# Altium PCB Sensor.PcbDoc (part 1 of 2)
Units mil, origin at the board's own origin, x right, y up, seen from the top; angles counter-clockwise.
Board outline 9449.35 x 6496.59 mil, 4 copper layers (Top Layer, GND, POWER, Bottom Layer), stack 30.634 mil thick; 169 components, 156 nets, 755 pads, 299 vias.
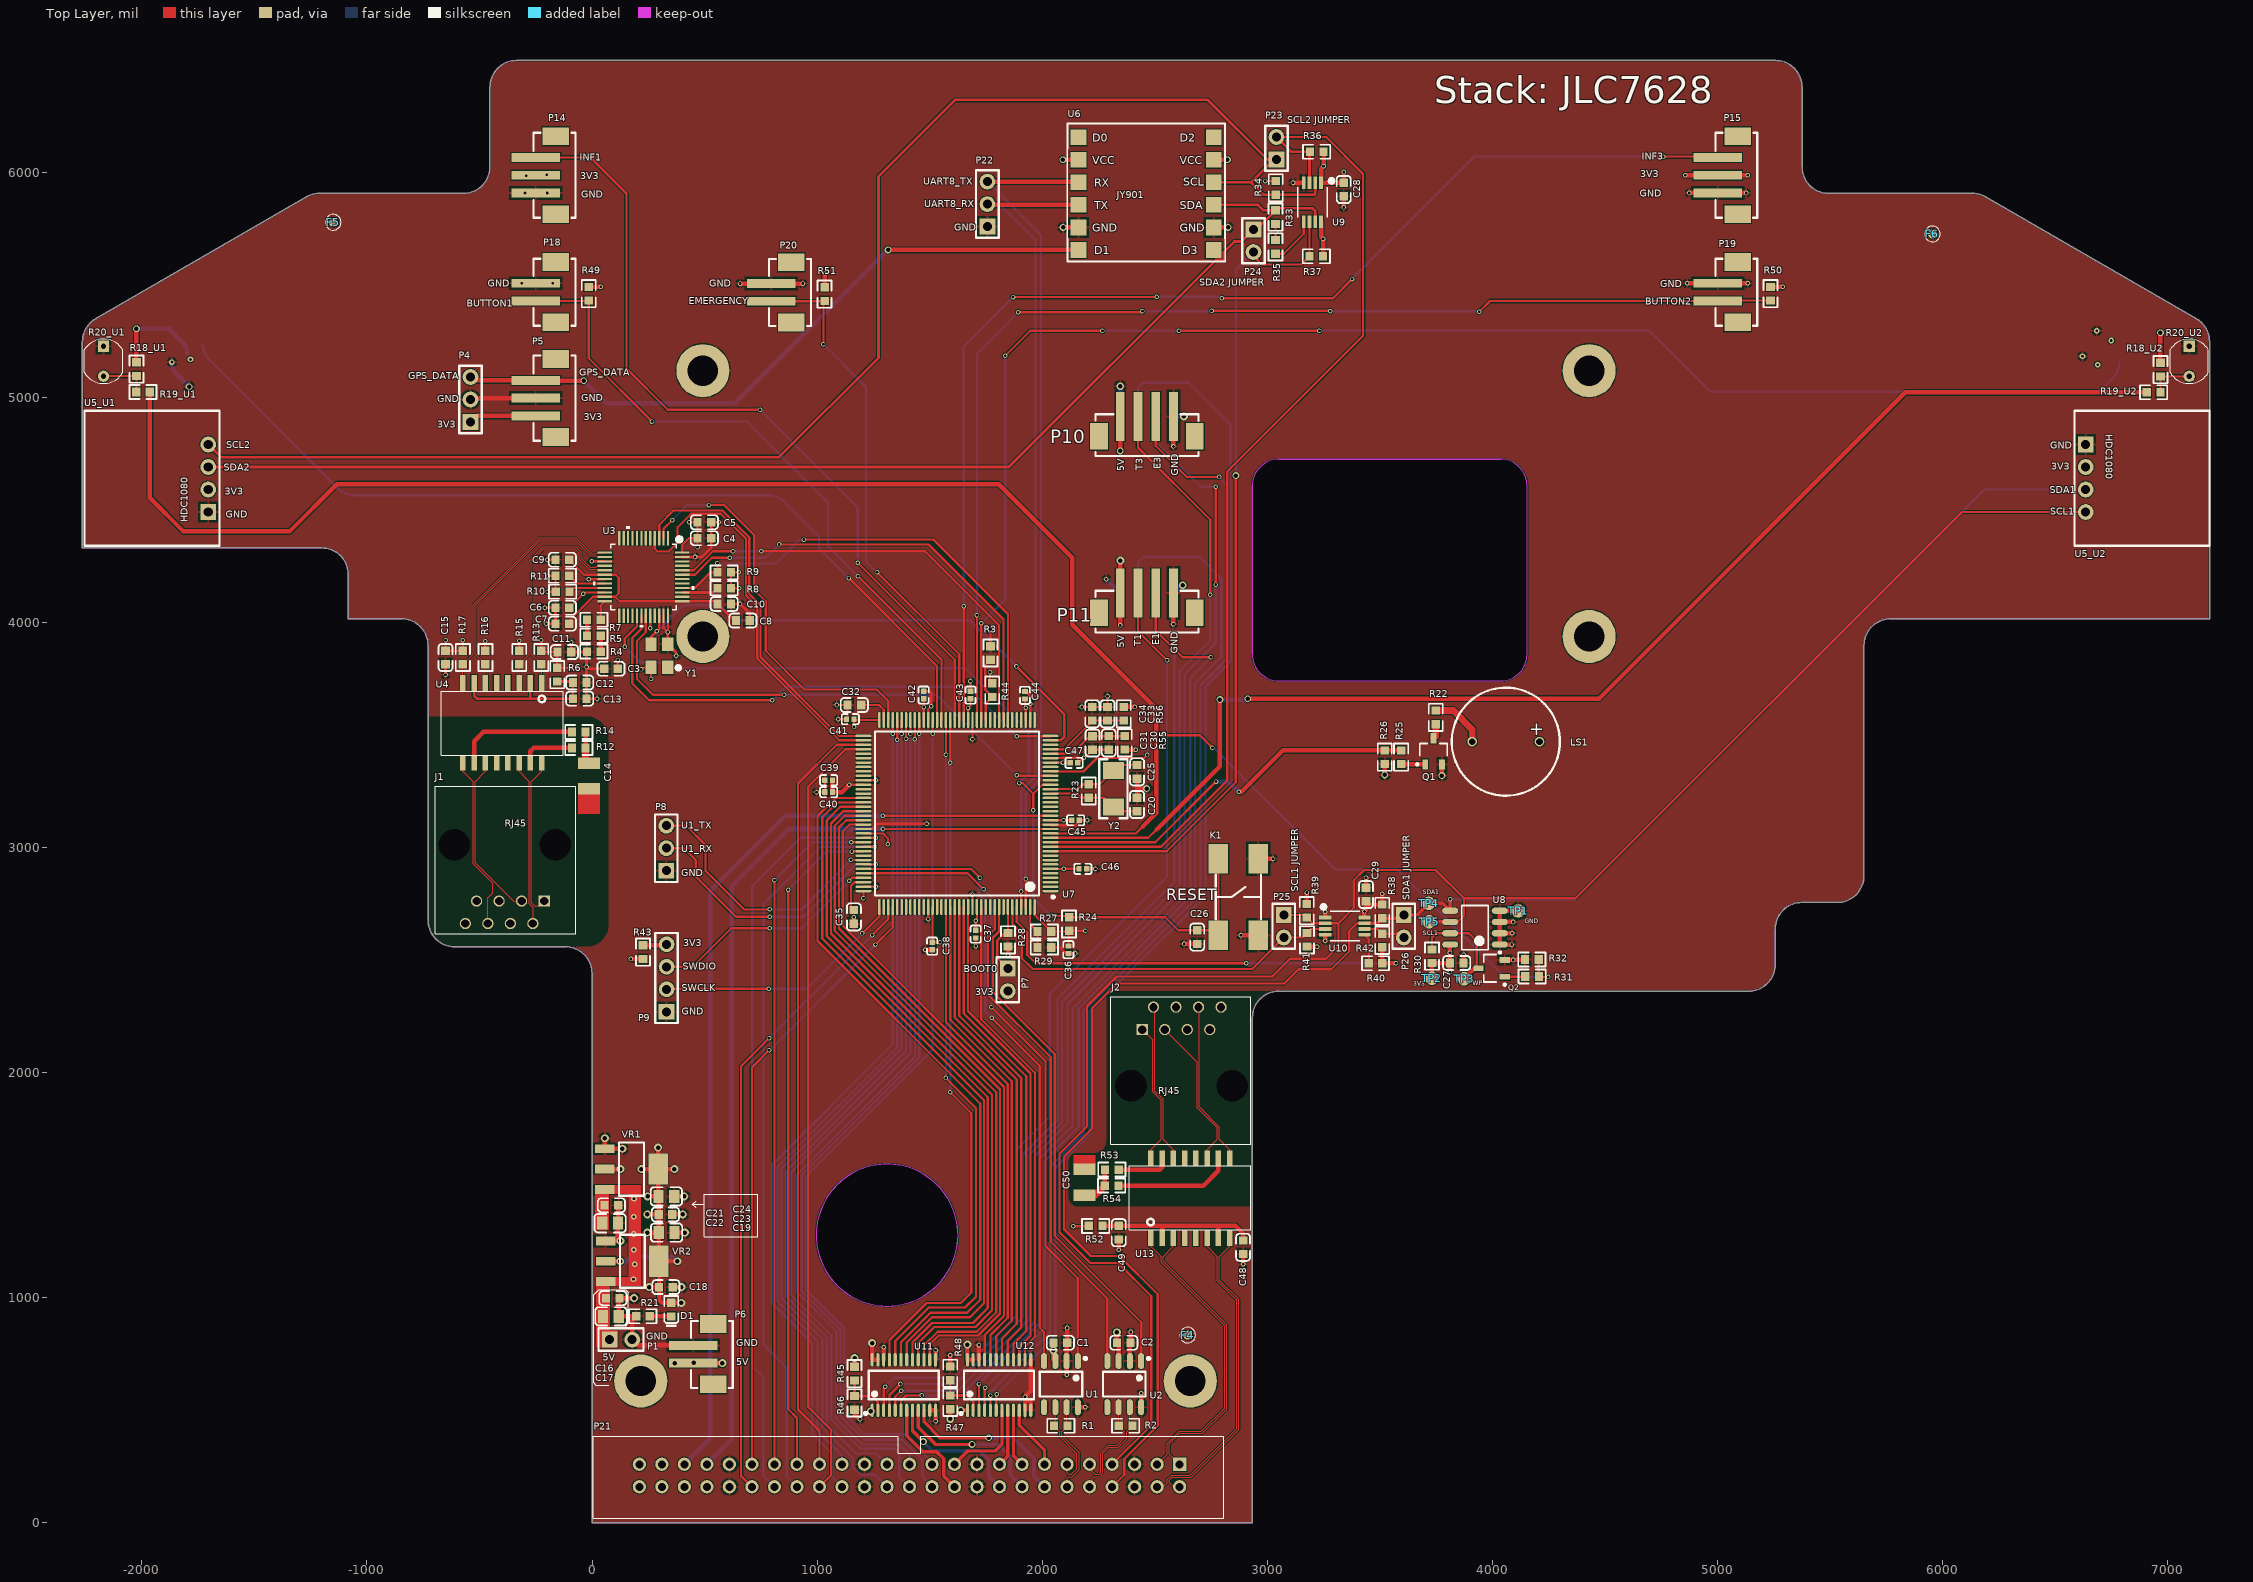
[diagram p0: Top Layer view]
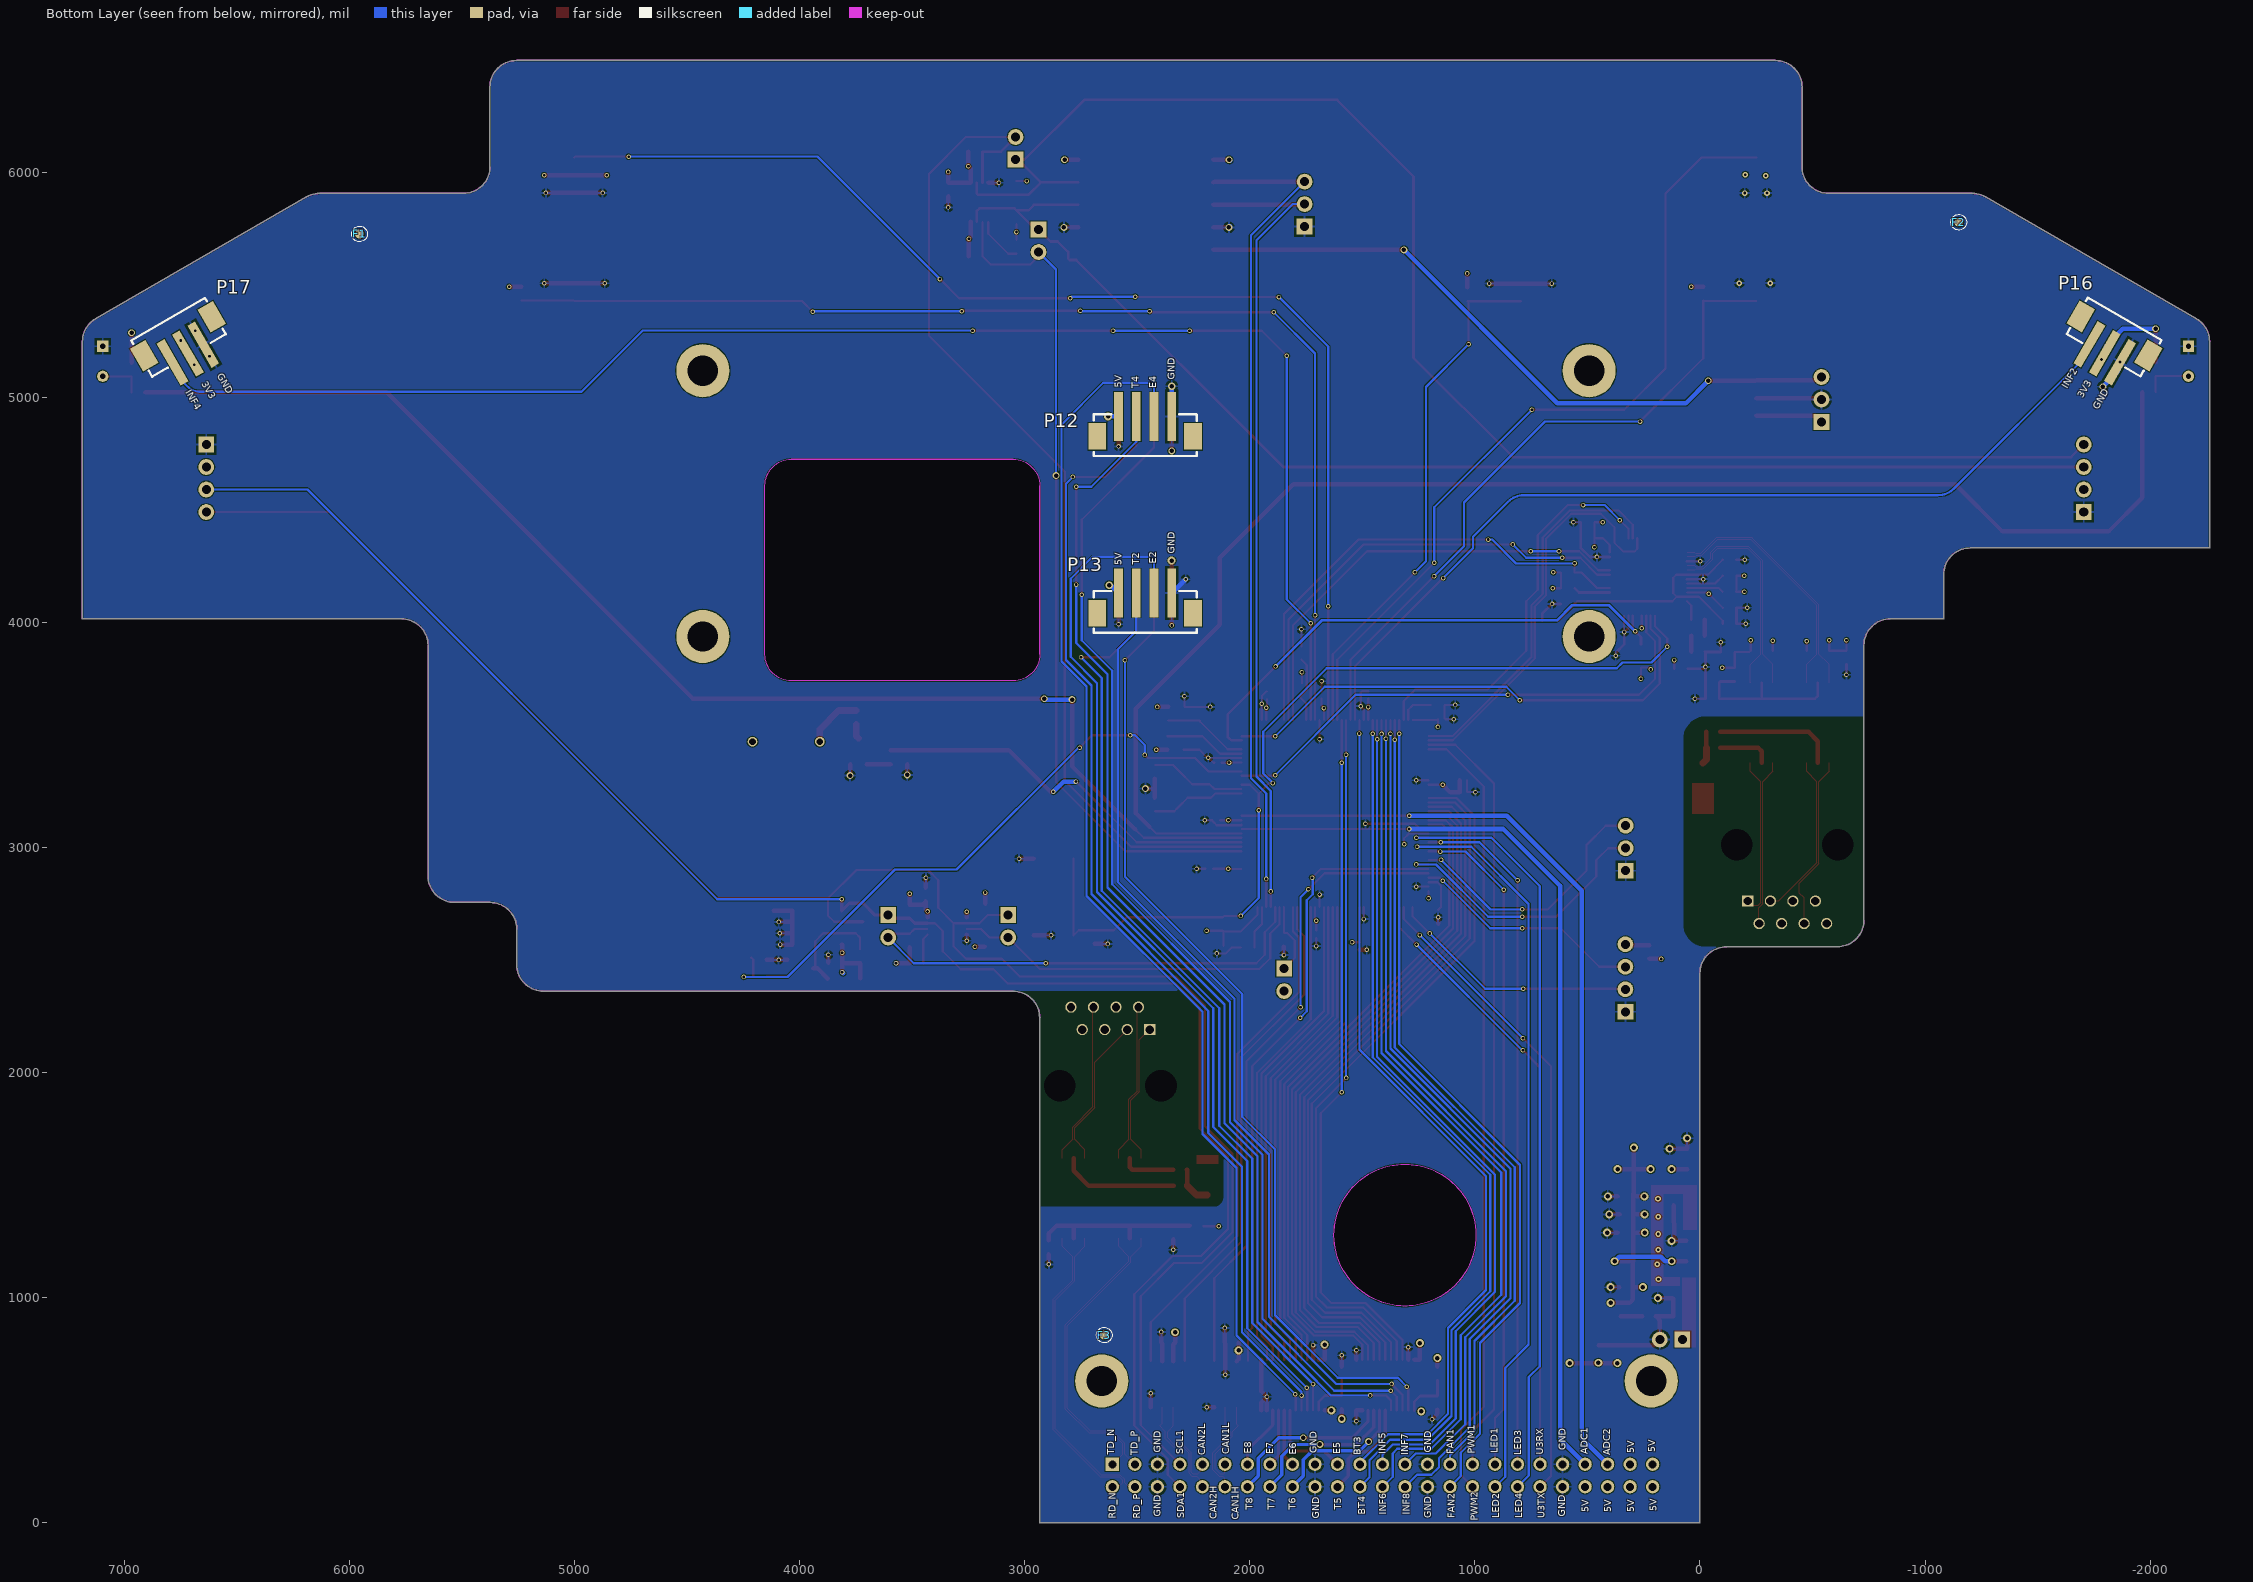
[diagram p1: Bottom Layer view, seen from below]
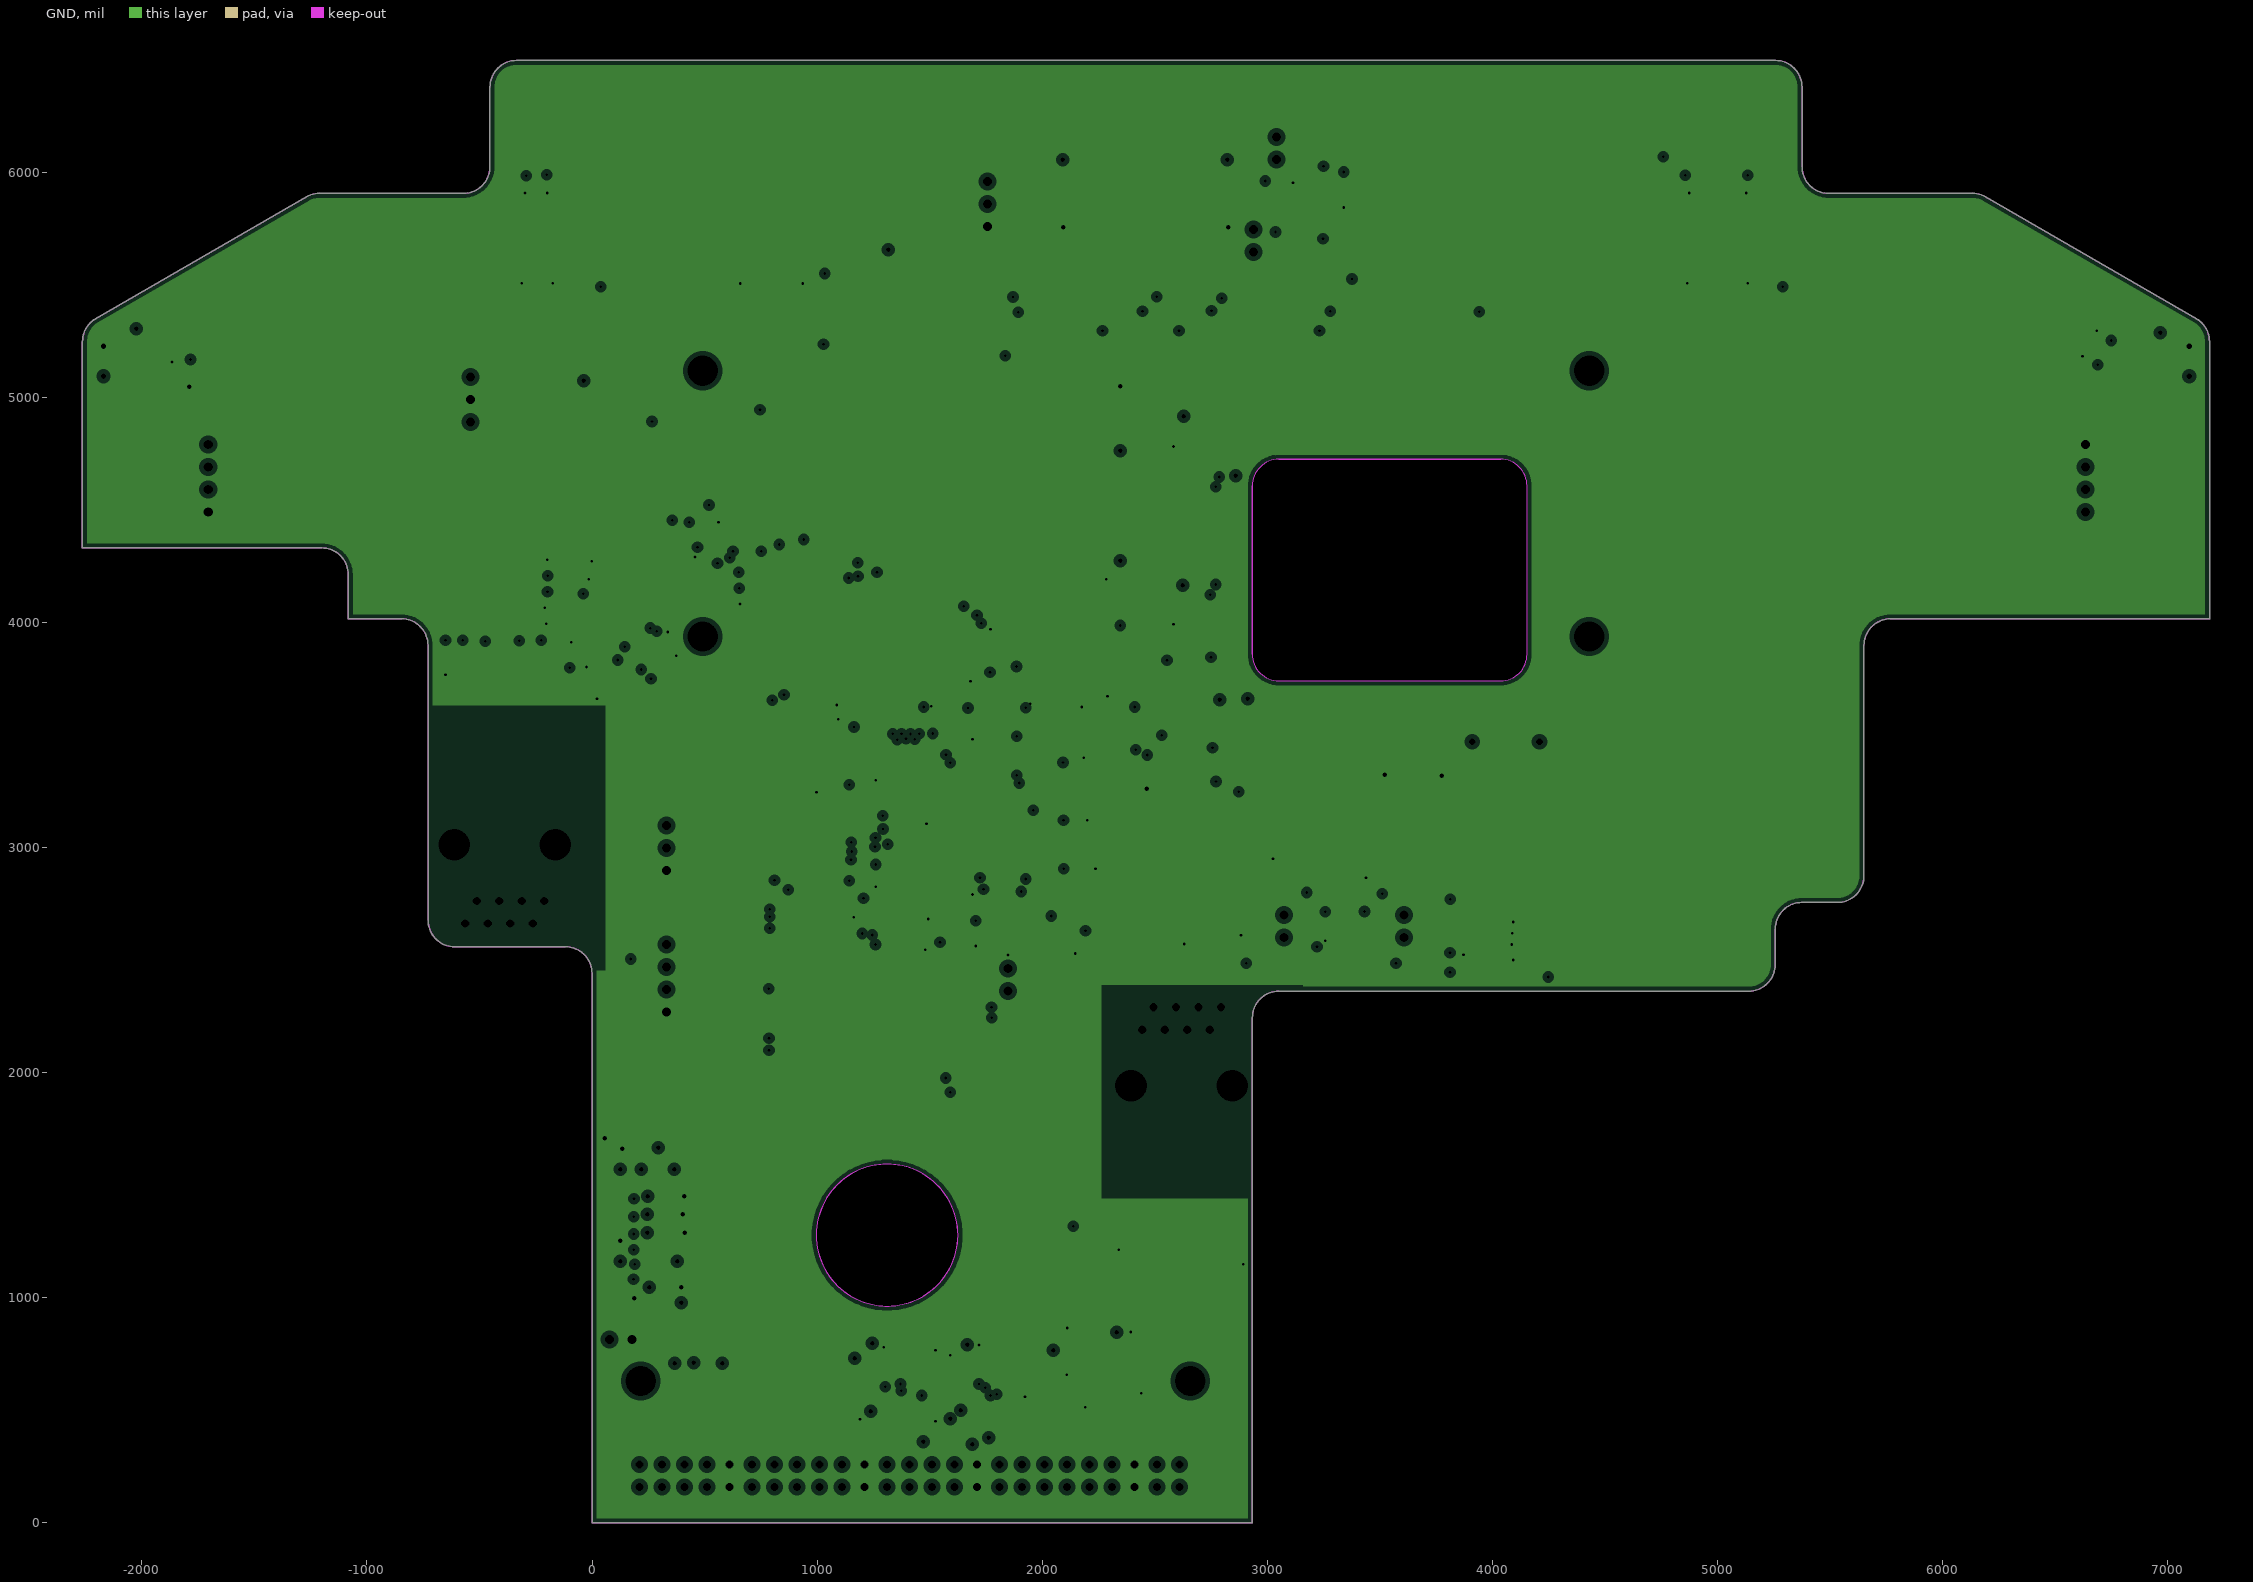
[diagram p2: GND, clearances drawn from the general rule]
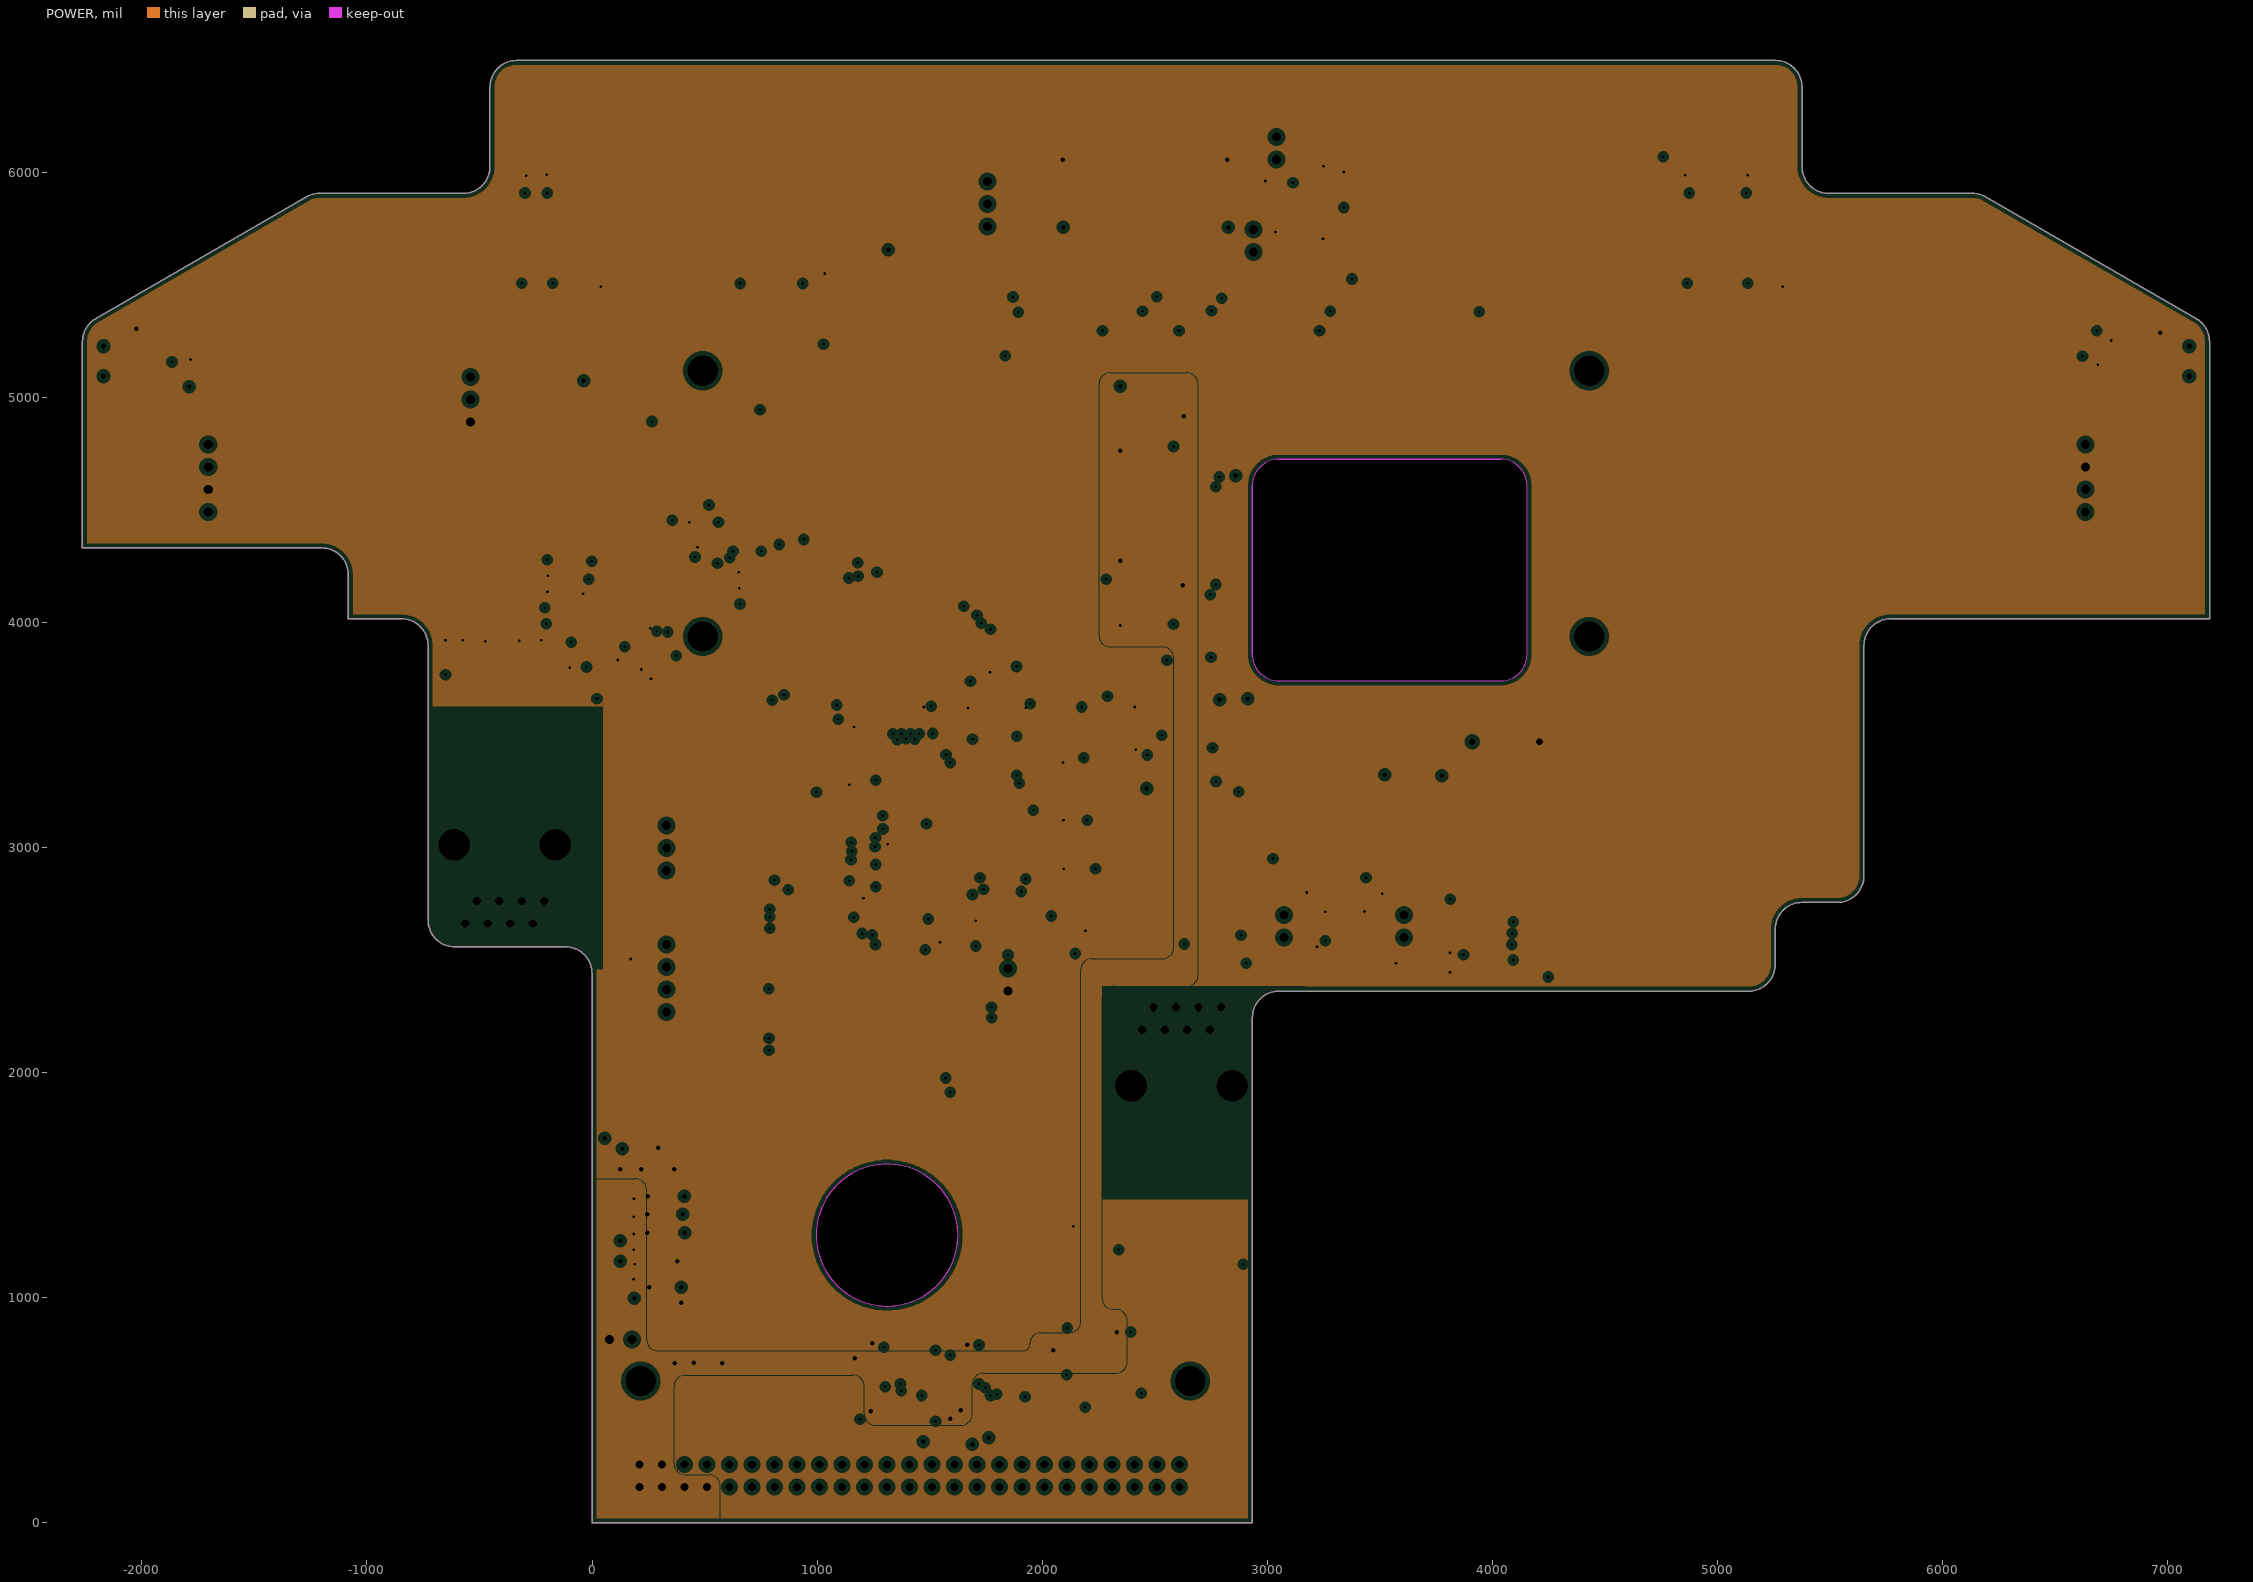
[diagram p3: POWER, clearances drawn from the general rule]

## Layer stack, top to bottom
Top Solder: solder mask 0.4, Solder Resist, Dk 3.5
Top Layer: signal copper 1.4
Dielectric 1: core 10, FR-4, Dk 4.2
GND: plane copper 1.417, net GND
Dielectric 3: prepreg 5, Dk 4.2
POWER: plane copper 1.417, net (Multiple Nets)
Dielectric 2: core 10, Dk 4.2
Bottom Layer: signal copper 1.4
Bottom Solder: solder mask 0.4, Solder Resist, Dk 3.5

## Board outline
-610.24,2558.79 cw(c-610.24,2677.17) -728.61,2677.17 -728.61,3897.64 ccw(c-846.46,3897.64) -846.46,4015.48 -1082.68,4015.48 cw(c-1082.68,4015.75) -1082.94,4015.75 -1082.94,4212.6 ccw(c-1200.79,4212.6) -1200.79,4330.44 -2263.78,4330.44 cw(c-2263.78,4330.71) -2264.04,4330.71 -2264.04,5246.77 cw(c-2263.78,5246.77) -2264.04,5246.78 cw(c-2145.67,5246.77) -2204.86,5349.29 -1268.46,5889.92 cw(c-1268.32,5889.69) -1268.45,5889.92 cw(c-1209.27,5787.4) -1209.27,5905.78 -571.62,5905.78 ccw(c-571.62,6023.62) -453.78,6023.62 -453.78,6377.95 cw(c-335.4,6377.95) -335.4,6496.33 5256.66,6496.33 cw(c5256.66,6377.95) 5375.04,6377.96 cw(c5256.66,6377.95) 5375.04,6377.95 5375.04,6023.62 ccw(c5374.77,6023.62) 5375.04,6023.62 cw(c5374.77,6023.62) 5375.04,6023.62 ccw(c5492.88,6023.62) 5492.88,5905.78 cw(c5492.88,5905.51) 5492.89,5905.78 6130.53,5905.78 cw(c6130.53,5787.4) 6189.71,5889.92 7126.12,5349.29 cw(c7125.98,5349.06) 7126.12,5349.29 cw(c7066.93,5246.77) 7185.3,5246.78 cw(c7185.04,5246.77) 7185.3,5246.77 7185.3,4015.75 cw(c7185.04,4015.75) 7185.04,4015.48 5767.72,4015.48 ccw(c5767.72,3897.64) 5649.87,3897.64 5649.87,2874.02 cw(c5649.61,2874.02) 5649.87,2874.01 ccw(c5531.5,2874.02) 5649.87,2874.02 5649.87,2874.01 cw(c5531.5,2874.02) 5531.5,2755.64 5374.02,2755.64 ccw(c5374.02,2755.91) 5374.02,2755.64 ccw(c5374.02,2637.8) 5256.17,2637.8 cw(c5255.91,2637.8) 5256.17,2637.8 5256.17,2480.32 cw(c5255.91,2480.32) 5256.17,2480.3 ccw(c5137.8,2480.32) 5256.17,2480.32 ccw(c5255.91,2480.32) 5256.17,2480.32 5256.17,2480.3 cw(c5137.8,2480.32) 5137.8,2361.94 cw(c5137.8,2362.2) 5137.8,2361.94 3051.18,2361.94 cw(c3051.18,2362.2) 3051.17,2361.94 cw(c3051.18,2244.09) 3051.18,2361.94 3051.17,2361.94 ccw(c3051.18,2244.09) 2933.34,2244.09 2933.34,0 cw(c2933.07,0) 2933.07,-0.26 0,-0.26 cw(c0,0) -0.26,0 -0.26,2440.95 -0.27,2440.95 ccw(c-118.11,2440.95) -118.11,2558.79 cw(c-118.11,2559.06) -118.12,2558.79
cut-out: 2933.07,3858.27 ccw(c3051.18,3858.27) 3051.18,3740.16 4035.43,3740.16 ccw(c4035.43,3858.27) 4153.54,3858.27 4153.54,4606.3 ccw(c4035.43,4606.3) 4035.43,4724.41 3051.18,4724.41 ccw(c3051.18,4606.3) 2933.07,4606.3
cut-out: 995.67,1277.95 ccw(c1310.63,1277.95) 1310.63,962.99 ccw(c1310.63,1277.95) 1625.59,1277.95 ccw(c1310.63,1277.95) 1310.63,1592.91 ccw(c1310.63,1277.95)

## Design rules (kind name [scope] priority, off if disabled: settings)
Clearance [All] p1: gap=4 ignorepadtopadclearanceinfootprint=FALSE
DiffPairsRouting 120 [InDifferentialPair('CAN2')Or InDifferentialPair('CAN1')] p1: maxlimit=6 minlimit=6 mostfreqgap=6 toplayer_minwidth=3.98 toplayer_maxwidth=3.98 toplayer_prefwidth=3.98 bottomlayer_minwidth=3.98 bottomlayer_maxwidth=3.98 bottomlayer_prefwidth=3.98 maxuncoupledlength=500
DiffPairsRouting 100 [All] p2: maxlimit=4 minlimit=4 mostfreqgap=4 toplayer_minwidth=4.96 toplayer_maxwidth=4.96 toplayer_prefwidth=4.96 bottomlayer_minwidth=4.96 bottomlayer_maxwidth=4.96 bottomlayer_prefwidth=4.96 maxuncoupledlength=500
HoleSize [All] p1: absolutevalues=TRUE maxlimit=200 minlimit=1 maxpercent=80.000 minpercent=20.000
MinimumSolderMaskSliver [All] p1: minsoldermaskwidth=0
PlaneClearance [All] p1: clearance=20
PlaneConnect [All] p1: planeconnectstyle=Relief reliefexpansion=20 reliefentries=4 reliefconductorwidth=10 reliefairgap=10
PolygonConnect [All] p1: connectstyle=Relief reliefconductorwidth=10 reliefentries=4 polygonreliefangle="90 Angle" airgapwidth=10
RoutingVias [All] p1: holewidth=28 width=50 viastyle="Through Hole" minholewidth=12 minwidth=20 maxholewidth=200 maxwidth=300
SilkToSilkClearance [All] p1: silktosilkclearance=0
SilkToSolderMaskClearance [IsPad] p1: minsilkscreentomaskgap=1 clearancetoexposedcopper=TRUE
SolderMaskExpansion [All] p1: expansion=4
Width [All] p1: maxlimit=150 minlimit=3 preferedwidth=10
23 further rules are at their usual default settings.

## Classes and differential pairs
component class U1: R18_U1 R19_U1 R20_U1 U5_U1
component class U2: R18_U2 R19_U2 R20_U2 U5_U2
component class U3: C1 C2 R1 R2 U1 U2
component class U4: P4 P5 U6
component class U5: C16 C17 C18 C19 C20 C21 C22 C23 C24 C25 C26 C27 C28 C29 C30 C31 C32 C33 C34 C35 C36 C37 C38 C39 C40 C41 C42 C43 C44 C45 C46 C47 D1 K1 LS1 P1 P6 P7 P8 P9 P22 P23 P24 P25 P26 Q1 Q2 R3 R21 R22 R23 R24 R25 R26 R27 R28 R29 R30 R31 R32 R33 R34 R35 R36 R37 R38 R39 R40 R41 R42 R43 R44 R55 R56 TP1 TP2 TP3 TP4 TP5 U7 U8 U9 U10 VR1 VR2 Y2
component class U6: C3 C4 C5 C6 C7 C8 C9 C10 C11 C12 C13 C14 C15 J1 R4 R5 R6 R7 R8 R9 R10 R11 R12 R13 R14 R15 R16 R17 U3 U4 Y1
component class U7: P10 P11 P12 P13 R45 R46 R47 R48 U11 U12
component class U8: P14 P15 P16 P17 P18 P19 P20 R49 R50 R51
component class U_Interface: C48 C49 C50 J2 P21 R52 R53 R54 U13
channel class Humidity&Temperature&Light: U1 U2
component class SensorBoard: F1 F2 F3 F4 F5 F6
differential pair CAN2: +CAN2_P -CAN2_N
differential pair CAN1: +CAN1_P -CAN1_N
differential pair B_RD: +B_RD_P -B_RD_N
differential pair B_RX: +B_RX_P -B_RX_N
differential pair B_TD: +B_TD_P -B_TD_N
differential pair B_TX: +B_TX_P -B_TX_N
differential pair RD: +RD_P -RD_N
differential pair TD: +TD_P -TD_N
differential pair ~MDI0: +~MDI0_P -~MDI0_N
differential pair ~MDI1: +~MDI1_P -~MDI1_N
